# KiCad board beaglebone-ai.kicad_pcb (continued)
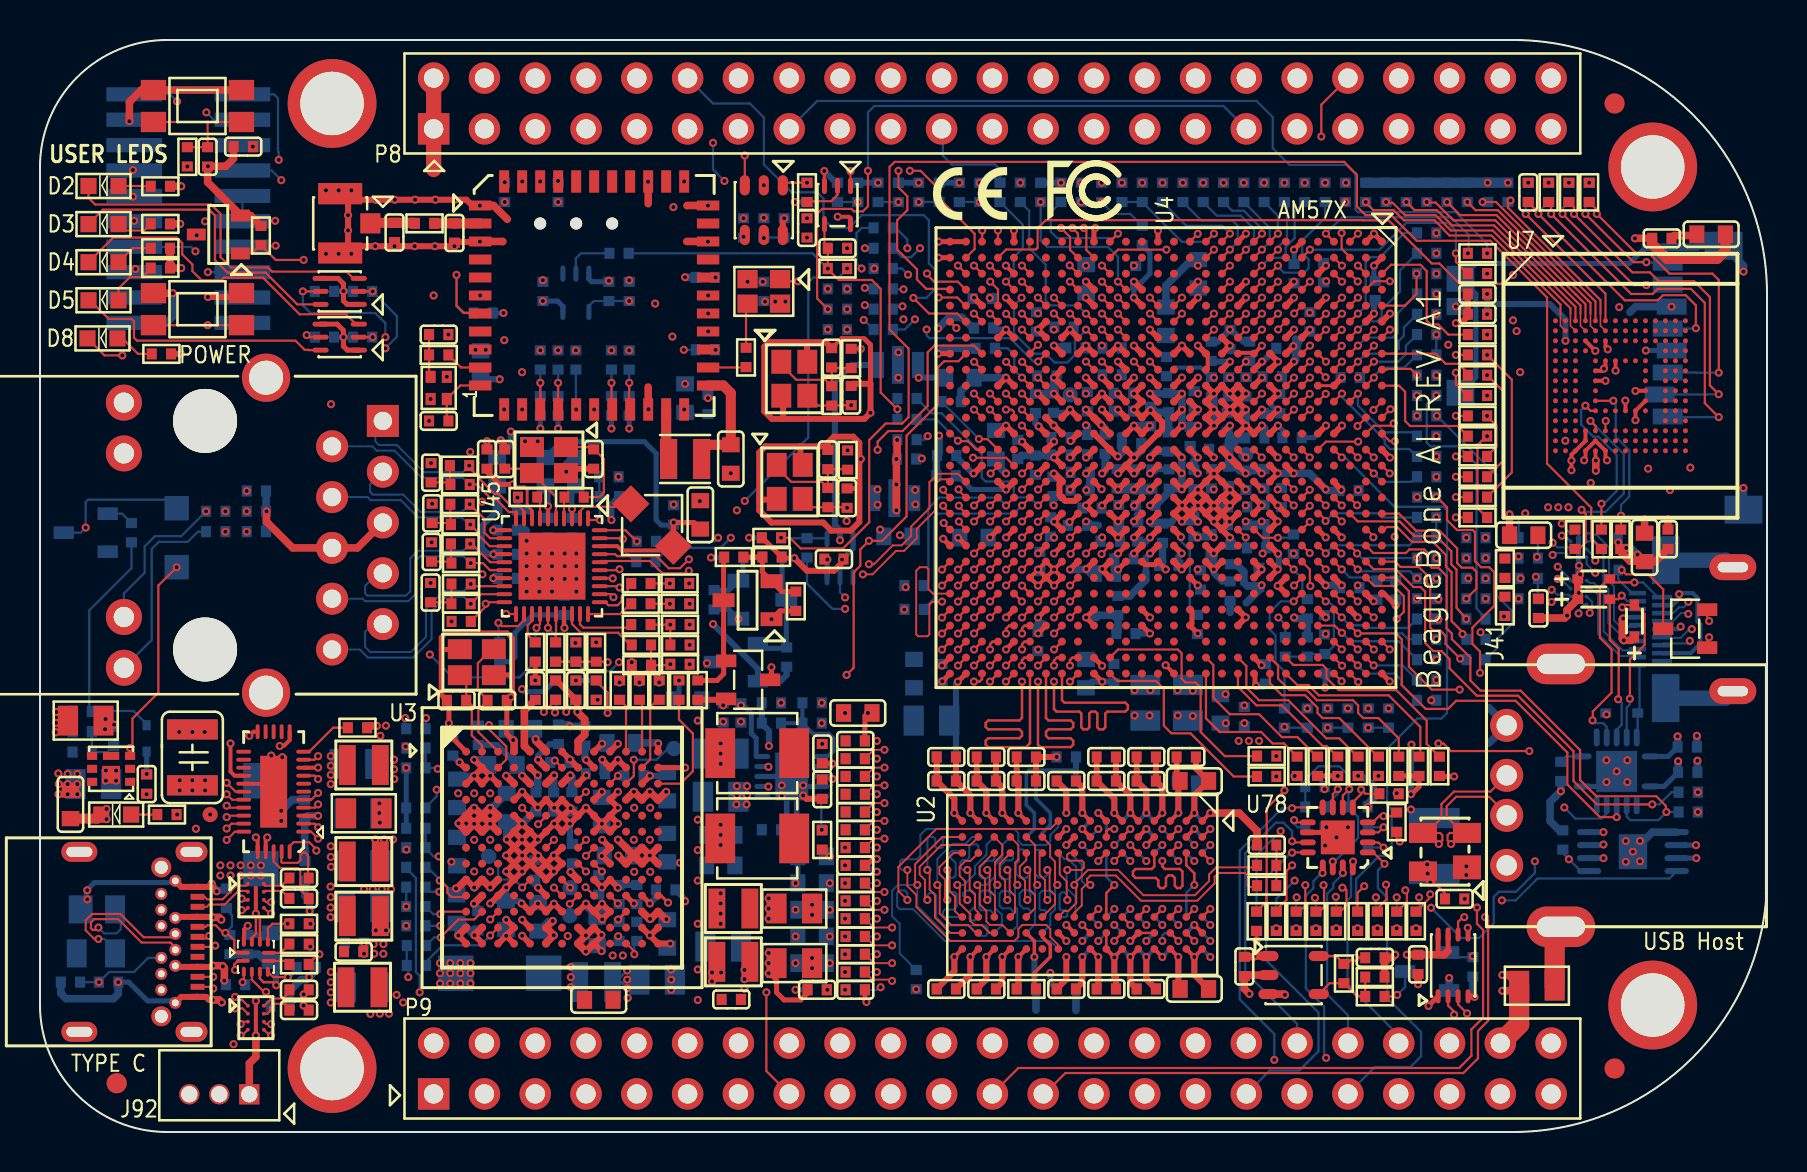
[diagram p0: board, top side]
## Routing (per net, layer and track width the routed paths; a pad name or vN(x,y) marks a point on that pad's centre or on a via; arc(x,y) is an arc through that point) (continued)
UART1_RXD: length 21.7
  TOP w0.114: U46.6 70.91,10.51 71.15,10.74 v1(71.22,10.74) ; U4.B27 v1(66.69,23.33)
  SIG_L5 w0.102: v1(66.69,23.33) 66.9,23.13 66.9,21.08 67.26,20.73 70.18,20.73 70.76,20.14 70.76,18.75 69.85,17.83 69.85,16.23 70.94,15.14 70.94,14.25 70.41,13.72 70.41,11.18 70.84,10.74 v1(71.22,10.74)
  BOTTOM w0.114: v1(66.69,23.33) 68.13,23.33 R173.2
UART1_TXD: length 20.4
  TOP w0.114: v1(71.4,10.21) 71.41,10.2 U46.5 ; U4.C26 v1(65.89,24.13)
  SIG_L5 w0.102: v1(65.89,24.13) 66.29,23.73 66.29,22 66.04,21.74 66.04,21.01 66.32,20.73 66.79,20.73 67.03,20.49 70.07,20.49 70.54,20.02 70.54,18.9 69.52,17.88 69.52,14.15 70.18,13.49 70.18,11.05 71.02,10.21 v1(71.4,10.21)
UART6_CTSN: length 36.7
  TOP w0.114: v1(25.91,47.56) 25.91,47.43 U37.41 ; U4.R5 v1(55.5,41.73)
  SIG_L8 w0.102: v1(55.5,41.72) 55.12,41.34 49.66,41.34 49.47,41.15 49.47,40.77 49.21,40.51 46.81,40.51 45.82,39.52 43.67,39.52 43.39,39.8 42.59,39.8 40.53,39.8 40.29,39.56 36.06,39.56 34.54,41.07 34.54,42.86 34,43.41 31.5,43.41 30.33,44.58 28.27,44.58 27.79,45.06 27.79,45.87 26.1,47.56 v1(25.91,47.56)
  BOTTOM w0.114: R413.2 v1(25.91,47.56)
UART6_RTSN: length 42.9
  TOP w0.114: U4.P5 v1(57.1,41.73)
  SIG_L8 w0.102: v1(57.1,41.73) 57.1,41.64 57.53,41.21 57.53,40.77 56.52,39.76 49.73,39.76 49.47,39.5 46.61,39.5 45.64,38.53 43.97,38.53 43.15,39.34 42.7,39.34 42.16,38.81 41.69,38.81 40.9,38.81 35.97,38.81 34.04,40.74 34.04,41.78 33.63,42.19 31.98,42.19 30.15,44.02 27.23,44.02 26.04,45.21 26.04,45.78 25.34,46.48 24.89,46.48 24.57,46.8 24.57,47.75 24.38,47.94 23.69,47.94 v1(23.24,47.5)
UART6_RXD: length 38.8
  TOP w0.114: U4.P6 v1(57.1,40.93)
  SIG_L8 w0.102: v1(25.01,47.53) 25.05,47.53 25.65,46.93 26.28,46.93 27.51,45.69 27.51,44.93 28.12,44.32 30.25,44.32 31.42,43.15 33.87,43.15 34.26,42.76 34.26,40.92 35.94,39.24 40.51,39.24 40.84,39.57 42.68,39.57 42.68,39.57 43.29,39.57 43.57,39.29 45.97,39.29 46.41,39.73 49.25,39.73 49.47,39.94 49.47,40.32 49.66,40.51 56.69,40.51 v1(57.1,40.93)
UART6_TXD: length 37.6
  TOP w0.114: U4.R9 v1(55.5,38.53)
  SIG_L8 w0.102: v1(55.5,38.53) 55.1,38.93 49.72,38.93 49.43,39.22 46.74,39.22 45.82,38.3 43.49,38.3 43.21,38.58 41.59,38.58 40.8,38.58 40.25,38.58 40.25,38.58 35.84,38.58 33.78,40.64 33.78,41.15 33.63,41.3 32.41,41.3 29.93,43.78 26.96,43.78 25.65,45.08 25.65,45.72 25.21,46.16 24.7,46.16 24.11,46.75 v1(24.11,47.53)
USB1_DM: length 85.9
  TOP w0.109: v1(8.76,9.32) 8.7,9.26 J42.A7 ; v1(2.92,9.65) 2.72,9.65 2.29,10.08 2.29,10.59 2.6,10.9 4.02,10.9 5.19,9.74 6.59,9.74 J42.B7 ; v1(49.1,36.13) U4.AC12
  INT_L3 w0.114: v1(49.1,36.13) 48.89,36.13 48.5,35.74 48.12,35.74 47.41,35.03 45.55,35.03 45.38,35.19 40.02,35.19 37.8,32.97 36.08,32.97 30.52,27.41 30.52,26.2 29.21,24.89 27.64,24.89 27.41,24.66 27.41,24.18 27.03,23.8 23.39,23.8 21.07,21.48 17.28,21.48 15.28,19.47 15.28,6.26 14.72,5.7 13.37,5.7 11.3,3.63 5.59,3.63 4.38,4.84 4.38,8.9 3.51,9.78 3.05,9.78 v1(2.92,9.65)
  SIG_L5 w0.109: v1(8.76,9.32) 8.89,9.45 8.89,9.94 8.61,10.22 8.17,10.22 7.65,9.7 6.98,9.7 J42.B7
  BOTTOM w0.109: v1(2.92,9.65) 3.23,9.65 3.75,9.12 D78.3
USB1_DP: length 87.2
  TOP w0.109: J42.B6 6.77,9.24 6.53,9.47 5.08,9.47 3.91,10.64 2.71,10.64 2.55,10.48 2.55,10.19 2.63,10.11 2.8,10.11 v1(2.92,10.22) ; U4.AD12 48.7,36.02 48.59,36.13 v1(48.3,36.13) ; J42.A6 7.96,9.68 8.33,9.68 v1(8.46,9.8)
  INT_L3 w0.114: v1(48.3,36.13) 48.18,36 48.01,36 47.3,35.29 45.66,35.29 45.49,35.46 45.12,35.46 44.98,35.6 44.98,36.03 44.86,36.15 44.63,36.15 44.52,36.03 44.52,35.57 44.4,35.46 44.2,35.46 44.06,35.6 44.06,36.03 43.95,36.15 43.72,36.15 43.6,36.03 43.6,35.57 43.49,35.46 39.91,35.46 37.68,33.24 35.97,33.24 30.25,27.52 30.25,26.31 29.1,25.16 27.52,25.16 27.14,24.77 27.14,24.29 26.92,24.07 23.28,24.07 20.96,21.74 17.17,21.74 15.01,19.58 15.01,6.37 14.61,5.97 13.26,5.97 11.19,3.9 5.7,3.9 4.65,4.95 4.65,9.01 3.62,10.05 3.1,10.05 v1(2.92,10.22)
  SIG_L5 w0.109: v1(8.46,9.8) 8.43,9.83 8.2,9.83 7.8,9.42 7.8,8.99 7.72,8.92 7.44,8.92 7.34,9.02 7.34,9.3 7.24,9.4 7.05,9.4 J42.B6
  BOTTOM w0.109: D78.2 4.04,10.85 4.04,10.14 3.83,9.93 3.21,9.93 v1(2.92,10.22)
USB2_DM: length 85.9
  TOP w0.109: D79.2 71.15,14.96 ; 71.15,14.96 70.5,14.96 70.39,14.85 70.39,14.58 v1(70.56,14.4) ; 71.15,14.96 70.34,15.77 70.34,16.29 70.82,16.76 72.47,16.76 73.34,15.89 J41.2 ; U4.AF11 v1(46.7,36.93)
  SIG_L10 w0.114: v1(70.56,14.4) 70.36,14.2 70.36,9.93 66.26,5.83 37.83,5.83 37.08,6.58 37.08,15.95 37.5,16.37 37.5,21.02 38.71,22.22 38.71,29.13 39.1,29.53 39.1,36 40.42,37.31 45.8,37.31 46.32,36.79 46.61,36.79 46.72,36.91 v1(46.7,36.93)
USB2_DP: length 85.8
  TOP w0.109: U4.AE11 v1(47.5,36.93) ; 69.34,14.96 70.08,15.7 70.08,16.4 70.71,17.03 72.53,17.03 J41.3 ; 69.34,14.96 70.02,14.96 70.13,14.85 70.13,14.58 v1(69.95,14.4) ; 69.34,14.96 D79.3
  SIG_L10 w0.114: v1(69.95,14.4) 70.09,14.26 70.09,10.04 66.15,6.1 37.94,6.1 37.35,6.69 37.35,15.84 37.77,16.26 37.77,20.91 38.98,22.11 38.98,29.02 39.37,29.42 39.37,35.89 40.53,37.05 45.69,37.05 46.21,36.53 47.1,36.53 v1(47.5,36.93)
USB2_DRVVBUS: length 64.1
  TOP w0.114: U4.AC10 v1(49.1,37.73)
  SIG_L5 w0.102: v1(49.1,37.73) 49.35,37.73 49.75,38.13 54.03,38.13 54.28,38.38 54.28,38.66 54.53,38.91 55.85,38.91 56.36,38.4 56.36,37.74 56.79,37.31 58.17,37.31 58.32,37.16 58.32,36.7 58.5,36.53 58.93,36.53 59.11,36.35 59.11,35.89 59.26,35.74 65.79,35.74 66.57,36.53 67.87,36.53 68.14,36.26 68.14,35.9 68.88,35.15 70.93,35.15 72.24,33.85 72.24,30.86 73.06,30.04 73.06,28.21 73.43,27.84 73.43,26.42 73.81,26.03 73.81,25.2 72.62,24 72.62,22.61 72.21,22.2 72.21,12.22 72.85,11.58 v1(73.1,11.58)
  BOTTOM w0.114: R112.1 48.39,39.19 48.72,38.86 48.72,38.11 v1(49.1,37.73) ; U48.4 81.47,12.67 74.88,12.67 73.79,11.58 v1(73.1,11.58)
USB_RXN0: length 48.4
  TOP w0.109: U4.AF12 47.1,35.73 v1(46.71,36.13) ; v1(13.91,16.95) 13.57,16.62 U72.5
  INT_L3 w0.114: v1(46.71,36.13) 46.57,36.26 46.36,36.26 46.23,36.13 46.23,35.8 46.12,35.69 45.96,35.69 45.85,35.8 45.85,36.13 45.72,36.26 45.45,36.26 44.85,36.87 42.17,36.87 42.06,36.75 42.06,36.46 41.94,36.35 41.72,36.35 41.6,36.46 41.6,36.75 41.49,36.87 40.37,36.87 37.72,34.21 33.96,34.21 30.95,31.2 30.95,29.75 29.69,28.49 29.69,26.52 28.77,25.59 24.02,25.59 20.71,22.29 16.85,22.29 13.54,18.97 13.54,16.95 13.65,16.85 13.8,16.85 v1(13.91,16.95)
USB_RXP0: length 48.6
  TOP w0.109: v1(13.91,16.38) 13.74,16.22 U72.4 ; U4.AE12 v1(47.5,36.13)
  INT_L3 w0.114: v1(47.5,36.13) 47.1,36.53 45.56,36.53 44.96,37.13 40.26,37.13 37.61,34.48 33.85,34.48 30.68,31.31 30.68,29.86 29.43,28.6 29.43,26.63 28.66,25.86 23.91,25.86 20.6,22.56 16.74,22.56 13.27,19.08 13.27,16.84 13.54,16.58 13.71,16.58 v1(13.91,16.38)
USB_TXN0: length 52.6
  TOP w0.109: v1(13.91,15.24) 13.73,15.42 U72.2 ; U4.AC11 v1(49.1,36.93)
  INT_L3 w0.114: v1(13.91,15.24) 13.65,15.24 12.79,16.1 12.79,19.19 16.69,23.09 19.91,23.09 23.16,26.34 27.33,26.34 28.24,27.25 28.24,29.32 30.11,31.19 30.11,31.5 34.02,35.41 37.54,35.41 40.37,38.24 44.42,38.24 45.28,37.38 47.66,37.38 47.91,37.13 47.91,36.74 48.13,36.52 48.7,36.52 v1(49.1,36.93)
USB_TXP0: length 52.6
  TOP w0.109: U4.AD11 v1(48.3,36.93) ; U72.1 13.56,15.02 v1(13.91,14.67)
  INT_L3 w0.114: v1(13.91,14.67) 13.73,14.85 13.67,14.85 12.52,15.99 12.52,19.3 16.58,23.36 19.8,23.36 23.05,26.61 27.22,26.61 27.98,27.36 27.98,29.43 29.85,31.3 29.85,31.61 33.91,35.67 37.43,35.67 40.26,38.51 44.53,38.51 45.39,37.64 47.77,37.64 48.3,37.11 v1(48.3,36.93)
USB_VBUS: length 4.7
  TOP w0.114: C327.1 70.26,11.94 D79.4 69.16,12.83 v1(69.52,12.47)
  BOTTOM w0.254: U48.8 v1(78.18,15) ; v1(78.18,14.38) 78.15,14.35 U48.7 ; U48.6 v1(78.18,13.7)
  vias: v1(69.37,13.39) v1(69.39,12.93)
VTT: length 0.6
  TOP w0.127: v1(39.37,7.11) C60.2
  BOTTOM w0.254: U1.3 39.5,17.78 v1(39.62,17.65)
  vias: v1(39.5,13.78) v1(39.5,12.45) v1(39.5,11.11) v1(39.5,9.78) v1(39.5,8.45) v1(40.26,14.22) v1(40.26,13.33) v1(40.26,12.45) v1(40.26,11.56) v1(40.26,10.67) v1(40.26,9.78) v1(40.26,8.89) v1(40.26,8) v1(40.26,7.11)
Net-(C14-Pad1): length 5.1
  TOP w0.114: X7.1 36.83,33.36 36.83,33.25 37.57,32.51 39.09,32.51 R11.1 C14.1 40.36,33.15 R14.1
Net-(C16-Pad1): length 5
  TOP w0.114: R15.1 39.62,38.2 C16.1 R12.1 39.27,37.62 37.82,37.62 37.07,38.37 X8.1
Net-(C49-Pad2): length 2
  TOP w0.114: R26.1 R29.1 C49.2
Net-(C51-Pad2): length 6.3
  TOP w0.114: U3.A3 21.92,20.01 21.92,21.11 22.38,21.56 C51.2 22.38,21.62 21.89,22.1 21.89,23.45 22.59,24.15 X6.3
Net-(C52-Pad2): length 4.3
  TOP w0.114: U3.A2 22.11,19.32 21.59,19.84 21.59,21.34 21.34,21.59 C52.2 21.32,22.19 21.32,22.52 X6.1
Net-(C69-Pad1): length 86.8
  TOP w0.114: v1(37.06,29.72) 37.5,29.72 38.03,29.18 40.16,29.18 41.47,30.49 41.47,34.61 42.29,35.43 43.12,35.43 43.43,35.75 43.43,39.18 42.48,40.13 42.48,48.26 42.74,48.51 65.21,48.51 65.85,47.88 65.85,46.29 66.29,45.85 67.56,45.85 68.84,44.57 72.52,44.57 75.36,41.73 75.36,33.43 77.57,31.22 77.57,29.67 R56.1
  SIG_L5 w0.102: v1(37.06,29.72) 36.14,30.63 34.58,30.63 32.45,32.77 v1(28.93,32.77)
  BOTTOM w0.114: v1(37.06,29.72) 37.08,29.69 R55.1 39.32,29.69 U8.4
Net-(C81-Pad1):
  vias: v1(35.18,44.77)
Net-(C87-Pad1): length 1.1
  BOTTOM w0.114: C87.1 v1(36.19,44.7) 36.22,44.73 R74.1
Net-(C92-Pad1): length 1.7
  BOTTOM w0.114: v1(39.09,15.11) 39.07,15.14 U1.5
Net-(C106-Pad1): length 0.5
  TOP w0.305: v1(51.54,34.56) U4.Y13
Net-(C107-Pad1): length 0.6
  TOP w0.305: U4.Y14 v1(51.51,33.73)
Net-(C108-Pad1): length 0.6
  TOP w0.305: U4.Y15 v1(51.51,32.93)
Net-(C109-Pad1): length 0.6
  TOP w0.305: U4.Y16 v1(51.51,32.13)
Net-(C133-Pad1): length 0.6
  TOP w0.305: v1(27.31,17.84) 26.91,17.43 U3.C8
Net-(C147-Pad2): length 0.5
  TOP w0.114: v1(25.74,18.58) 25.75,18.58 U3.B7
Net-(C179-Pad1): length 0.6
  TOP w0.305: U4.T20 v1(54.71,28.93)
Net-(C204-Pad1): length 3.7
  TOP w0.305: U4.R20 v1(55.51,28.93)
  BOTTOM w0.305: v1(55.51,28.93) 55.3,28.72 55.3,28
  BOTTOM w0.381: 55.3,28 55.3,27.61 54.5,26.81 C204.1
Net-(C214-Pad1): length 4.7
  TOP w0.305: U4.P19 57.05,29.77 v1(57.05,29.75)
  BOTTOM w0.127: v1(57.05,29.75) 57.05,29.55 57.49,29.11 57.49,26.25 C214.1
Net-(C254-Pad1): length 1.1
  TOP w0.114: U4.K19 v1(60.29,29.73)
  BOTTOM w0.114: v1(60.29,29.73) 60.29,29.27 C254.1
Net-(C260-Pad1): length 2.2
  TOP w0.114: v1(61.9,29.72) 61.14,29.72 60.73,30.13 U4.J19
  BOTTOM w0.114: v1(61.9,29.72) 62.51,29.72 C260.1
Net-(C268-Pad1): length 2.3
  TOP w0.508: J33.1 16.52,45.47 C268.1 18.72,45.47 R385.1
Net-(C273-Pad1): length 0.6
  TOP w0.305: U4.J16 v1(61.09,32.13)
Net-(C274-Pad1): length 1.6
  TOP w0.305: U4.J9 v1(61.1,38.53)
  BOTTOM w0.305: C274.1 61.16,38.53 v1(61.1,38.53)
Net-(C275-Pad1): length 0.6
  TOP w0.305: U4.J10 v1(61.1,37.73)
Net-(C276-Pad1): length 1.5
  TOP w0.305: U4.L9 v1(59.5,38.53)
  BOTTOM w0.305: v1(59.5,38.53) 58.6,38.53 C276.1
Net-(C277-Pad1): length 0.6
  TOP w0.114: U4.K9 v1(60.3,38.53)
Net-(C279-Pad1): length 0.6
  TOP w0.305: U4.K16 v1(60.29,32.13)
Net-(C335-Pad1): length 9.5
  TOP w0.381: J37.5 15.88,29.21 J37.6 12.64,29.21 11.33,30.52 v1(11.33,31.04)
  BOTTOM w0.114: C336.1 v1(11.33,31.04)
  BOTTOM w0.381: C335.1 C336.1 R463.2
Net-(C466-Pad1): length 10.4
  TOP w0.114: v1(65.47,17.14) 65.15,16.82 U78.6 ; U78.14 v1(64.65,13.53)
  BOTTOM w0.114: R566.1 FB5.2 63.27,17.63 63.93,18.29 64.97,18.29 65.47,17.79 v1(65.47,17.14) 65.43,17.11 C466.1 65.43,16.23 65.91,15.75 65.91,14.71 R567.1 64.73,13.53 v1(64.65,13.53)
Net-(C488-Pad1): length 2.3
  TOP w0.508: U37.2 20.73,45.43 C488.1 R385.2
Net-(D1-Pad1): length 1.3
  TOP w0.114: D1.1 R594.2
Net-(D2-Pad1): length 1.6
  TOP w0.114: D2.1 5.09,47.31 5.1,47.29 R593.2
Net-(D2-Pad2): length 17
  TOP w0.114: D2.2 2.42,46.72 2.76,46.38 8.56,46.38 9.03,45.91 9.03,43.75 9.55,43.23 11.4,43.23 11.61,43.03 15.33,43.03 15.67,42.69 T2.3
Net-(D3-Pad1): length 1.9
  TOP w0.114: D3.1 3.93,45.33 4.17,45.08 5.21,45.08 R592.2
Net-(D3-Pad2): length 15.2
  TOP w0.114: D3.2 3.15,46.13 8.46,46.13 8.75,45.83 8.75,43.6 9.37,42.98 11.28,42.98 12.87,41.39 T2.6
Net-(D4-Pad1): length 1.9
  TOP w0.114: D4.1 4.62,44.2 R591.2
Net-(D4-Pad2): length 16.4
  TOP w0.114: D4.2 3.66,44.73 6.83,44.73 7.11,44.45 7.11,43.89 7.62,43.38 7.62,43.05 8.08,42.6 9.07,42.6 9.19,42.72 11.15,42.72 12.98,40.89 15.3,40.89 15.8,40.4 T1.3
Net-(D5-Pad1): length 2.6
  TOP w0.114: D5.1 3.93,42.18 4.49,42.75 5.11,42.75 5.54,43.18 R590.2
Net-(D5-Pad2): length 13.1
  TOP w0.114: D5.2 2.5,41.59 3.43,40.67 4.57,40.67 4.7,40.54 4.7,39.73 4.85,39.57 12.78,39.57 13.23,39.12 13.42,39.12 13.44,39.1 T1.6
Net-(D6-Pad2): length 3.7
  BOTTOM w0.254: R17.2 34.45,27.1 D6.2 35.15,27.8 R8.2 36.12,28.73 R13.1
Net-(D6-Pad3): length 6.2
  BOTTOM w0.254: Q1.1 36.15,24.19 37.3,24.19 R9.2 37.32,24.25 D6.3 37.11,26.83 R13.2
Net-(D7-Pad2): length 3.8
  TOP w0.254: R91.2 37.1,27.03 D7.2 36.12,28.01 R87.2 R86.1
Net-(D7-Pad3): length 7.4
  TOP w0.254: R86.2 34.18,28.72 D7.3 34.18,23.69 Q4.1 34.19,23.44 34.19,22.91 33.86,22.58 R85.2
Net-(D8-Pad1): length 2
  TOP w0.114: R701.2 4.9,38.91 4.13,39.69 D8.1
Net-(D8-Pad2): length 9.6
  TOP w0.114: D8.2 3.23,38.84 v1(4.11,38.84)
  INT_L3 w0.102: v1(4.11,38.84) 4.11,41.12 v1(7.84,44.84)
Net-(D77-Pad1): length 7.3
  BOTTOM w0.114: Q14.3 2.03,29.97 v1(2.29,30.23) 2.29,31.51 2.4,31.62 6.4,31.62 D77.1
Net-(L1-Pad1):
  vias: v1(29.71,16.21) v1(30.51,16.21) v1(34.04,19.43) v1(34.04,18.92) v1(34.04,18.41)
Net-(L2-Pad1):
  vias: v1(29.7,14.61) v1(30.5,14.61) v1(34.04,15.37) v1(34.04,14.86) v1(34.04,14.35)
Net-(L16-Pad1):
  vias: v1(29.71,13.01) v1(30.51,13.01) v1(34.04,11.94) v1(34.04,11.43) v1(34.04,10.92) v1(34.04,10.41)
Net-(L17-Pad1):
  vias: v1(16.76,14.63) v1(17.21,14.63) v1(17.65,14.63) v1(21.71,14.61) v1(22.51,14.61)
Net-(L18-Pad1):
  vias: v1(16.79,10.08) v1(17.3,10.08) v1(21.71,13.03) v1(22.51,13.03)
Net-(L19-Pad1): length 1.1
  TOP w0.305: U3.N5 v1(24.11,9.81) ; U3.M5 v1(24.11,10.61)
  vias: v1(16.52,5.91) v1(16.99,5.92) v1(17.45,5.92)
Net-(L20-Pad1):
  vias: v1(17.7,18.62) v1(17.7,18.14) v1(17.72,17.65) v1(20.91,16.94) v1(21.71,16.94) v1(22.51,16.94)
Net-(L21-Pad1):
  vias: v1(28.64,8.83) v1(29.15,8.83) v1(33.6,7.98) v1(33.6,7.53) v1(34.06,7.98)
Net-(L22-Pad1):
  vias: v1(26.39,9.8) v1(26.54,8.25) v1(26.54,7.75) v1(26.54,7.24)
Net-(OSC1-Pad1): length 1.7
  TOP w0.114: OSC1.1 37.11,42.54 v1(37.91,42.54)
  BOTTOM w0.114: R588.1 37.24,42.54 v1(37.91,42.54)
Net-(OSC1-Pad3): length 2.2
  TOP w0.114: R576.1 35.31,41.35 OSC1.3
Net-(Q14-Pad1): length 1.4
  BOTTOM w0.114: R552.2 4.1,30.92 Q14.1
Net-(Q17-Pad3): length 2
  TOP w0.114: R658.2 67.79,6.78 v1(67.87,6.86)
  BOTTOM w0.114: v1(67.87,6.86) 68.27,7.26 Q17.3
Net-(R3-Pad2): length 3.4
  SIG_L8 w0.102: v1(35.05,20.52) 35.05,19.63 v1(36.42,18.26)
  BOTTOM w0.114: U1.9 36.42,18.28 v1(36.42,18.26) ; v1(35.05,20.52) 35.18,20.52 R3.2
Net-(R4-Pad2): length 4.8
  SIG_L8 w0.102: v1(36.42,17.27) 36.42,17.65 34.67,19.41 34.67,20.02 v1(34.16,20.52)
  BOTTOM w0.114: v1(36.42,17.27) 36.42,17.28 U1.7 ; R4.2 34.29,20.52 v1(34.16,20.52)
Net-(R18-Pad2): length 5.9
  TOP w0.114: U3.C13 32.03,17.42 32.65,18.04 32.65,19.93 31.95,20.62 R18.2
Net-(R19-Pad2): length 3.9
  TOP w0.114: U3.B12 30.51,18.63 30.51,21.24 30.85,21.58 31,21.58 R19.2
Net-(R20-Pad2): length 2.6
  TOP w0.114: R20.2 30.11,21.48 U3.A12
Net-(R22-Pad2): length 3.3
  TOP w0.178: U2.L8 50.12,9.75 50.52,9.35 50.52,8.75 49.72,7.95 49.72,7.24 R22.2
Net-(R27-Pad2): length 6.8
  TOP w0.114: R27.2 25.78,21.59 v1(25.2,21.01)
  TOP w0.12: U3.E5 v1(24.11,16.21)
  INT_L3 w0.102: v1(24.11,16.21) 25.32,17.43 25.32,20.5 25.2,20.62 v1(25.2,21.01)
Net-(R82-Pad1): length 1.3
  TOP w0.114: U10.1 37.15,47.35 37.27,47.47 v1(38.35,47.47)
Net-(R88-Pad2): length 3.3
  BOTTOM w0.178: R88.2 49.8,16.67 50.52,15.95 50.52,15.35 50.12,14.95 U11.L8
Net-(R89-Pad1): length 3.9
  TOP w0.114: v1(45.9,34.57) 45.92,34.54 46.41,34.54 46.82,34.13 U4.AF14
  BOTTOM w0.114: v1(45.9,34.57) 44.83,35.64 R89.1
Net-(R90-Pad1): length 9.8
  TOP w0.114: U4.AB17 v1(49.91,31.33)
  BOTTOM w0.114: v1(49.91,31.33) 49.5,31.73 48.89,31.73 48.7,31.93 48.7,32.33 48.49,32.53 47.29,32.53 47.09,32.73 47.09,33.93 45.08,35.94 44.58,35.94 R90.1
Net-(R98-Pad1): length 8.2
  TOP w0.114: U4.AB16 v1(49.91,32.13)
  INT_L3 w0.102: v1(49.91,32.13) 49.91,32.13 49.53,32.51 49.53,33.15 48.46,34.21 44.97,34.21 v1(44.39,34.8)
  BOTTOM w0.114: R98.1 44.21,34.62 v1(44.39,34.8)
Net-(R99-Pad1): length 6.9
  TOP w0.114: U4.AC16 v1(49.11,32.13)
  INT_L3 w0.102: v1(44.09,33.68) 44.2,33.78 45.75,33.78 46.19,33.34 48.45,33.34 48.7,33.08 48.7,32.51 49.09,32.13 v1(49.11,32.13)
  BOTTOM w0.114: v1(44.09,33.68) 44.07,33.65 R99.1
Net-(R100-Pad1): length 3.8
  TOP w0.114: U4.AE14 47.38,34.65 46.96,34.65 v1(46.95,34.66)
  BOTTOM w0.114: v1(46.95,34.66) R100.1
Net-(R101-Pad1): length 8.8
  TOP w0.114: U4.AD17 v1(48.31,31.33)
  BOTTOM w0.114: R101.1 44.42,27.56 44.42,31.19 44.96,31.72 47.91,31.72 v1(48.31,31.33)
Net-(R102-Pad1): length 10
  TOP w0.114: U4.AC17 v1(49.11,31.33)
  BOTTOM w0.114: R102.1 44.2,26.16 44.72,26.68 44.72,30.75 44.89,30.92 48.7,30.92 v1(49.11,31.33)
Net-(R103-Pad2): length 1.4
  TOP w0.114: v1(29.72,8.89) 29.72,9.04 29.34,9.42 U3.N11
  BOTTOM w0.114: R103.2 29.72,9.42 v1(29.72,8.89)
Net-(R104-Pad2): length 0.9
  TOP w0.12: U3.C10 v1(28.9,17.81)
  BOTTOM w0.381: R104.2 28.91,17.83 v1(28.9,17.81)
Net-(R107-Pad2): length 0.6
  TOP w0.12: U3.K10 v1(28.9,11.43)
Net-(R108-Pad2): length 2.7
  TOP w0.114: R108.2 29.31,21.29 U3.A11
Net-(R113-Pad2): length 0.6
  TOP w0.12: U3.H9 v1(28.1,13.03)
Net-(R119-Pad1): length 0.6
  TOP w0.114: U4.AB10 v1(49.9,37.73)
Net-(R121-Pad2): length 5.8
  TOP w0.12: U3.D8 v1(27.3,17.01)
  INT_L3 w0.102: v1(26.31,21.01) 26.88,20.44 26.88,17.44 v1(27.3,17.01)
  BOTTOM w0.114: R121.2 26.31,21.13 v1(26.31,21.01)
Net-(R130-Pad2): length 3.2
  TOP w0.114: v1(22.45,20.35) 22.45,20.14 23.32,19.28 23.32,18.63 U3.B3
  BOTTOM w0.114: R130.2 22.43,20.32 v1(22.45,20.35)
Net-(R145-Pad2): length 3.5
  TOP w0.102: 20.09,9.8 20.09,9.78 v1(20.04,9.73)
  TOP w0.114: U3.L2 21.71,10.63 20.92,10.63 20.09,9.8
  BOTTOM w0.114: v1(20.04,9.73) 19.71,9.73 R145.2
Net-(R146-Pad2): length 4.5
  TOP w0.114: U3.M3 v1(22.51,9.83)
  BOTTOM w0.114: R146.2 19.3,8.51 20.13,9.33 22.02,9.33 v1(22.51,9.83)
Net-(R147-Pad2): length 3.9
  TOP w0.12: U3.L3 v1(22.51,10.63)
  INT_L3 w0.102: v1(20.02,10.31) 20.33,10.63 v1(22.51,10.63)
  BOTTOM w0.114: R147.2 v1(20.02,10.31)
Net-(R148-Pad2): length 2.2
  TOP w0.114: v1(20.02,10.9) 20.14,11.02 U3.L1
  BOTTOM w0.114: R148.2 19.66,10.9 v1(20.02,10.9)
Net-(R149-Pad2): length 9.6
  TOP w0.12: U3.H8 v1(27.3,13.03)
  INT_L3 w0.102: v1(19.96,12.01) 20.35,12.01 20.55,11.81 26.62,11.81 26.88,12.07 26.88,12.61 v1(27.3,13.03)
  BOTTOM w0.114: R149.2 19.28,12.2 19.47,12.01 v1(19.96,12.01)
Net-(R150-Pad2): length 9.1
  TOP w0.12: v1(25.7,12.22) 25.71,12.22 U3.K7
  INT_L3 w0.102: v1(19.94,13.78) 19.94,13.21 20.52,12.62 25.3,12.62 v1(25.7,12.22)
  BOTTOM w0.114: R150.2 R151.2 19.28,14.19 19.69,13.78 v1(19.94,13.78)
Net-(R152-Pad1): length 2.9
  TOP w0.114: v1(19.99,12.57) 20.04,12.57 20.37,12.24 20.37,11.96 20.57,11.76 21.24,11.76 U3.K1
  BOTTOM w0.114: v1(19.99,12.57) 19.99,12.62 19.38,13.23 R152.1
Net-(R155-Pad2): length 12.8
  TOP w0.12: U3.G9 27.33,13.85 27.33,13.84 v1(27.3,13.81)
  INT_L3 w0.102: v1(27.3,13.81) 26.89,14.22 21.51,14.22 20.27,15.47 20.27,17.78 v1(19.89,18.16)
  BOTTOM w0.114: v1(19.89,18.16) 19.84,18.21 R155.2 R156.2
Net-(R157-Pad2): length 13.4
  TOP w0.12: v1(27.28,12.24) 27.29,12.24 U3.K9
  INT_L3 w0.102: v1(19.84,17.12) 19.84,15.48 21.36,13.96 22.56,13.96 23.1,13.41 27.53,13.41 27.7,13.24 27.7,12.6 27.34,12.24 v1(27.28,12.24)
  BOTTOM w0.114: R157.2 19.28,16.23 19.84,16.79 v1(19.84,17.12)
Net-(R159-Pad2): length 10.8
  TOP w0.12: U3.E6 25.31,15.79 v1(24.91,15.39)
  INT_L3 w0.102: v1(19.3,20.7) 19.3,19.99 20.55,18.75 20.55,16.38 21.13,15.8 24.5,15.8 v1(24.91,15.39)
  BOTTOM w0.114: R159.2 19.25,20.17 19.25,20.37 19.3,20.37 v1(19.3,20.7)
Net-(R174-Pad1): length 3.5
  TOP w0.114: U4.D21 v1(65.09,28.13)
  BOTTOM w0.114: v1(65.09,28.13) 65.5,27.73 66.71,27.73 R174.1 R182.1
Net-(R183-Pad1): length 7.6
  TOP w0.114: U7.A6 78.28,41.92 v1(74.3,45.91)
  BOTTOM w0.114: R183.1 74.3,46.38 v1(74.3,45.91)
Net-(R199-Pad1): length 5.4
  TOP w0.114: v1(64.29,30.56) 64.29,30.61 63.97,30.93 U4.E18
  BOTTOM w0.114: R199.1 67.11,30.73 66.9,30.94 64.67,30.94 v1(64.29,30.56)
Net-(R200-Pad1): length 5.4
  TOP w0.114: U4.E20 v1(64.29,28.93)
  BOTTOM w0.114: v1(64.29,28.93) 64.7,29.34 68.48,29.34 R200.1
Net-(R201-Pad1): length 7.8
  TOP w0.114: U7.J5 v1(78.68,36.57) ; v1(79.06,30.82) 79.06,30.14 R201.1
  BOTTOM w0.114: v1(78.68,36.57) 78.79,36.45 78.79,34.77 79.48,34.09 79.48,31.78 79.06,31.36 v1(79.06,30.82)
Net-(R202-Pad2): length 11
  TOP w0.114: U4.J7 v1(61.1,40.13)
  INT_L3 w0.102: v1(65.28,46.51) 65.53,46.25 65.53,41.5 65.37,41.34 64.07,41.34 63.91,41.17 63.91,40.67 63.75,40.51 61.49,40.51 v1(61.1,40.13)
Net-(R537-Pad1): length 2.7
  TOP w0.114: U72.11 13.46,19.02 14.66,20.22 R537.1
Net-(R540-Pad1): length 0.7
  TOP w0.114: U22.3 10.2,7.55 v1(10.13,7.49)
  BOTTOM w0.114: v1(10.13,7.49) R540.1
Net-(R542-Pad2): length 1.2
  TOP w0.114: U22.8 12.04,8.96 R542.2
Net-(R543-Pad2): length 1.1
  TOP w0.114: R543.2 12.29,8.56 U22.7
Net-(R566-Pad2): length 2.2
  TOP w0.114: v1(64.9,17.14) 64.65,16.89 U78.7
  BOTTOM w0.114: R566.2 64.9,16.92 v1(64.9,17.14)
Net-(R571-Pad1): length 1.5
  TOP w0.114: v1(62.71,15.6) 62.83,15.48 U78.9
  BOTTOM w0.114: v1(62.71,15.6) 62.71,15.42 62.89,15.24 R571.1
Net-(R572-Pad2): length 1.7
  TOP w0.114: v1(67.18,15.24) 66.93,14.98 U78.3
  BOTTOM w0.114: v1(67.18,15.24) R572.2
Net-(R581-Pad2): length 4.4
  TOP w0.114: U4.C27 v1(65.89,23.33)
  BOTTOM w0.114: v1(65.89,23.33) 66.31,22.92 67.75,22.92 68.07,22.61 68.07,22.35 68.83,21.59 R581.2
Net-(R582-Pad2): length 5.7
  TOP w0.114: v1(65.1,24.96) 64.74,25.32 U4.E25
  BOTTOM w0.114: v1(65.1,24.96) 65.52,24.54 67.94,24.54 R582.2
Net-(R583-Pad2): length 8.3
  TOP w0.114: U4.W6 v1(52.3,40.93)
  BOTTOM w0.114: v1(52.3,40.93) 51.89,41.34 50.54,41.34 50.29,41.59 50.29,43.37 49.47,44.2 49.47,46.06 R583.2
Net-(R584-Pad2): length 4.8
  TOP w0.114: U4.D18 v1(65.09,30.53)
  INT_L3 w0.102: v1(68.86,31.75) 68,30.89 65.45,30.89 v1(65.09,30.53)
Net-(R585-Pad2): length 5.4
  TOP w0.114: U4.AD4 v1(48.3,42.53)
  BOTTOM w0.114: v1(48.3,42.53) 48.69,42.91 48.69,43.74 49.15,44.2 49.15,45.36 R585.2
Net-(R589-Pad2): length 9.2
  TOP w0.114: v1(28.38,20.95) 28.38,21.97 27.81,22.54 R589.2
  TOP w0.12: U3.G8 27.3,14.61 v1(27.3,14.61)
  SIG_L10 w0.102: v1(28.38,20.95) 27.69,20.26 27.69,14.99 27.31,14.61 v1(27.3,14.61)
Net-(R607-Pad1): length 7.9
  TOP w0.114: v1(71.32,26.67) 71.83,27.18 71.83,28.02 71.63,28.22 71.09,28.22 70.87,28.45 70.87,29.18 69.98,30.07 68.81,30.07 67.96,30.93 U4.A18
Net-(R609-Pad1): length 3
  TOP w0.114: U4.B15 v1(66.69,32.93)
  BOTTOM w0.114: v1(66.69,32.93) 67.12,32.51 68.58,32.51 68.83,32.77 R609.1
Net-(R610-Pad1):
  vias: v1(33.78,39.12)
Net-(R656-Pad1): length 3.8
  TOP w0.114: U40.4 64.49,7.44 R656.1 65.86,6.78 R658.1 R657.2
Net-(R660-Pad1): length 1.5
  TOP w0.114: U45.24 25,25.38 v1(24.83,25.21)
  BOTTOM w0.114: R660.1 24.76,25.15 v1(24.83,25.21)
Net-(R661-Pad1):
  vias: v1(33.78,42.74)
Net-(R670-Pad1): length 11.8
  TOP w0.114: R670.1 59.25,18.8 58.04,20 58.04,22.22 57.79,22.48 57.28,22.48 57.09,22.67 57.09,23.94 56.9,24.13 53.91,24.13 U4.V27
Net-(R671-Pad2): length 10.6
  TOP w0.114: R671.2 59.69,17.78 57.53,19.94 56.58,19.94 56.2,20.32 56.2,22.16 55.8,22.56 53.87,22.56 U4.V28
Net-(R672-Pad2): length 10.7
  TOP w0.114: R672.2 69.34,19.41 69.34,20.57 67.82,22.1 64.94,22.1 64.34,22.7 64.34,23.16 64.13,23.36 62.67,23.36 U4.G27
Net-(R673-Pad2): length 7.6
  TOP w0.114: U4.H28 61.5,22.44 62.1,21.84 63.26,21.84 63.88,21.22 63.88,20.95 64.13,20.7 64.97,20.7 66.9,18.77 R673.2
Net-(R674-Pad2): length 7.1
  TOP w0.114: R674.2 64.87,18.77 64.34,19.3 64.13,19.3 62.1,21.34 60.83,21.34 59.9,22.27 U4.K28
Net-(R675-Pad2): length 8.6
  TOP w0.114: U4.M27 58.67,23.35 58.67,21.72 59.5,20.89 60.96,20.89 62.1,19.75 62.88,19.75 63.86,18.77 R675.2
Net-(R676-Pad1): length 9.4
  TOP w0.114: U4.G28 62.88,22.35 63.43,22.35 63.95,21.84 67.44,21.84 69.03,20.25 69.03,18.81 68.99,18.77 R676.1
Net-(R677-Pad1): length 9.6
  TOP w0.114: R677.1 67.94,19.69 66.93,20.7 66.17,20.7 65.91,20.95 65.91,21.34 65.66,21.59 63.86,21.59 63.35,22.1 62.48,22.1 61.91,22.67 61.91,23.32 U4.H27
Net-(R678-Pad1): length 8.7
  TOP w0.114: R678.1 65.89,18.77 64.97,19.69 64.32,19.69 62.42,21.59 60.96,21.59 60.32,22.22 60.32,23.3 U4.K27
Net-(R679-Pad1): length 7.6
  TOP w0.114: R679.1 62.2,19.43 61.63,19.43 61.06,20 58.99,20 58.3,20.69 U4.M28
Net-(R704-Pad2): length 1.2
  BOTTOM w0.114: U12.8 76.32,18.78 R704.2
Net-(R706-Pad2): length 1.7
  TOP w0.114: U78.4 66.65,15.48 66.99,15.83 67.15,15.83 v1(67.18,15.8) 67.67,15.8 R706.2
Net-(R707-Pad2): length 2.1
  TOP w0.114: U78.5 65.65,16.48 66.07,16.9 v1(66.07,17.12) 66.27,16.92 R707.2
Net-(TP2-Pad1): length 3.6
  TOP w0.114: v1(29.69,18.62) 29.69,17.98
  TOP w0.12: 29.69,17.98 29.69,17.81 U3.C11